# Altium PCB CHAHARDOLI-7 ADAD METAL.PcbDoc (part 7 of 11) (continued)
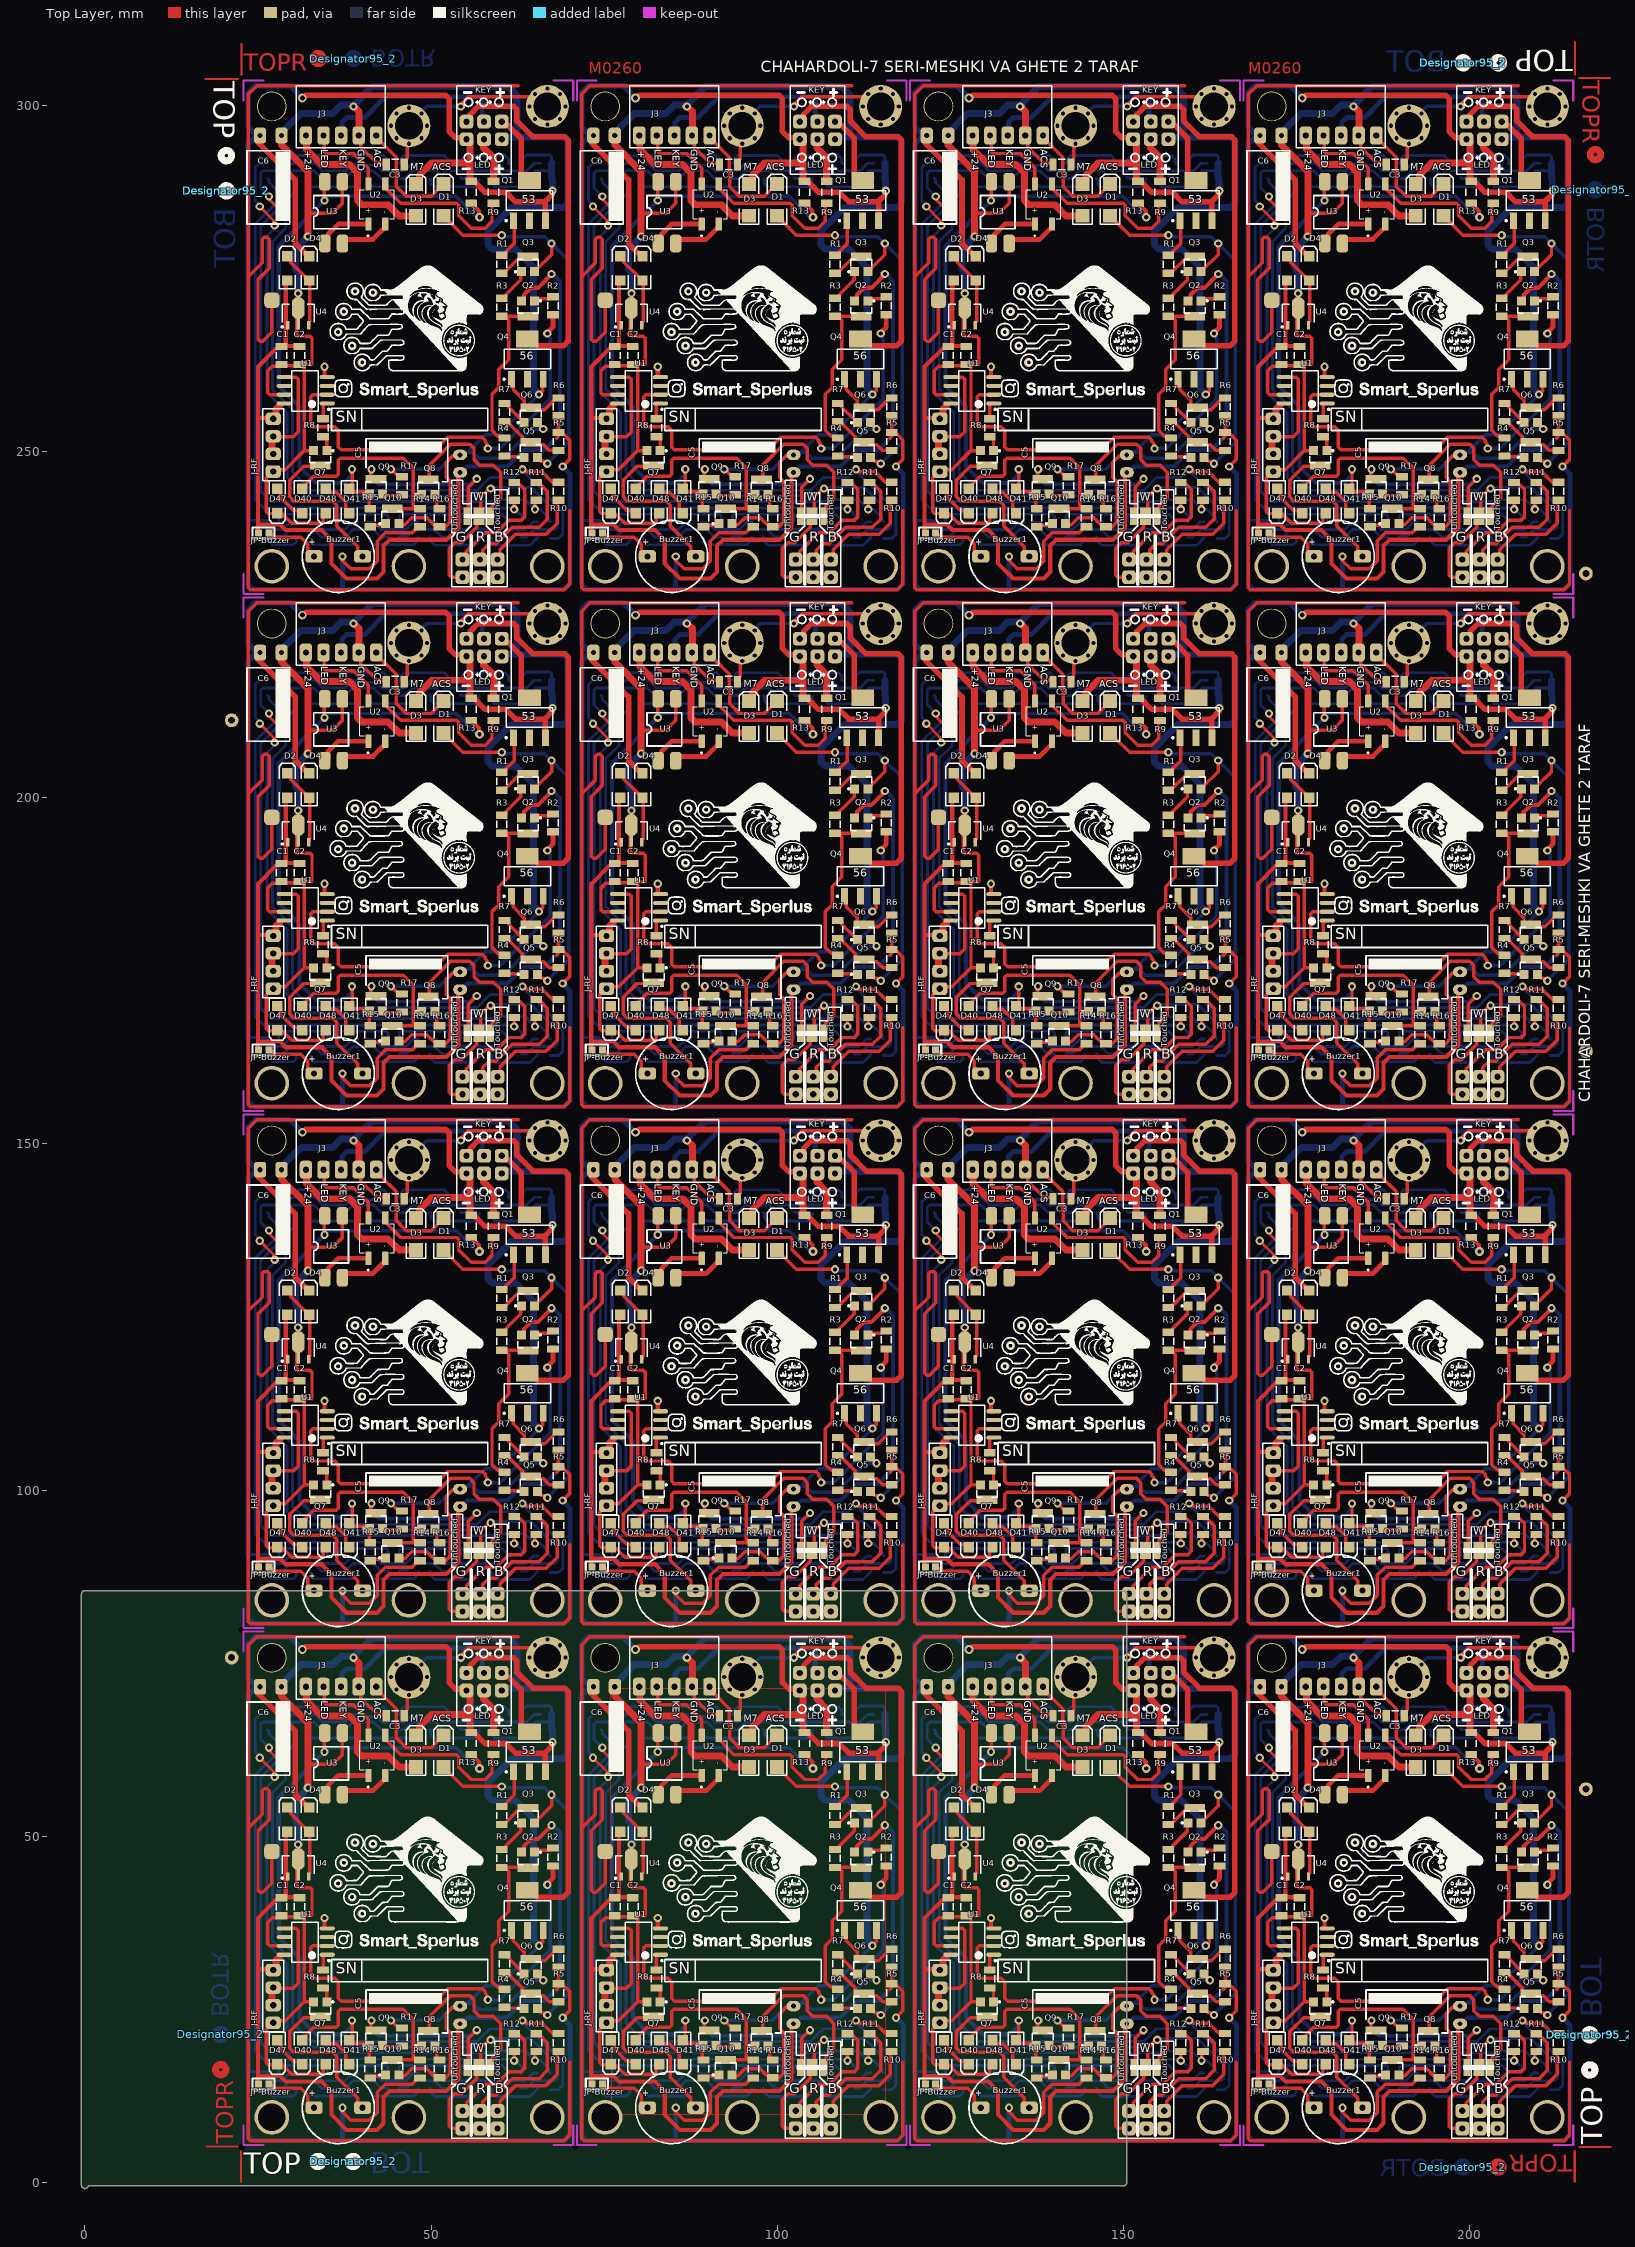
[diagram p0: Top Layer view]
## Nets (pads, with @x,y where several pads share a name; then routed paths per layer and width w, separated by ;. In a path a pad name is that pad's centre, name@x,y a point inside that pad or via, vN(x,y) a via of type N, cw(c..) or ccw(c..) an arc to the next point about the centre after c; other vN are vias at no path point) (continued)
157.09,48.376 157.09,48.6 159.258,50.768 159.258,51.843 159.34,51.925 ; 156.49,122.789 156.815,122.789 157.09,123.064 157.09,123.288 159.258,125.456 159.258,126.531 159.34,126.613 ; 156.49,197.477 156.815,197.477 157.09,197.752 157.09,197.976 159.258,200.144 159.258,201.219 159.34,201.301 ; 156.49,272.165 156.815,272.165 157.09,272.44 157.09,272.664 159.258,274.832 159.258,275.907 159.34,275.989 ; 156.521,54.23 156.745,54.23 157.09,54.576 157.09,54.8 158.29,56 158.29,59 ; 156.521,128.919 156.745,128.919 157.09,129.264 157.09,129.488 158.29,130.688 158.29,133.688 ; 156.521,203.607 156.745,203.607 157.09,203.952 157.09,204.176 158.29,205.376 158.29,208.376 ; 156.521,278.295 156.745,278.295 157.09,278.64 157.09,278.864 158.29,280.064 158.29,283.064 ; 156.69,32.8 157.316,32.8 157.49,32.626 157.49,32.375 159.49,30.375 159.74,30.125 ; 156.69,107.488 157.316,107.488 157.49,107.314 157.49,107.063 159.49,105.063 159.74,104.813 ; 156.69,182.176 157.316,182.176 157.49,182.002 157.49,181.751 159.49,179.751 159.74,179.501 ; 156.69,256.864 157.316,256.864 157.49,256.69 157.49,256.439 159.49,254.439 159.74,254.189 ; 156.878,51.768 157.09,51.98 158.836,53.725 159.04,53.725 159.04,54.125 ; 156.878,126.456 157.09,126.668 158.836,128.413 159.04,128.413 159.04,128.813 ; 156.878,201.144 157.09,201.356 158.836,203.101 159.04,203.101 159.04,203.501 ; 156.878,275.832 157.09,276.044 158.836,277.789 159.04,277.789 159.04,278.189 ; 156.907,28 156.737,28.17 155.92,28.17 155.09,29 155.09,34.2 156.09,35.2 156.09,37.8 157.49,39.2 157.49,44.937 157.197,45.23 157.09,45.23 157.015,45.305 157.015,45.505 161.359,45.505 ; 156.907,102.688 156.737,102.859 155.92,102.859 155.09,103.688 155.09,108.888 156.09,109.888 156.09,112.488 157.49,113.888 157.49,119.625 157.197,119.918 157.09,119.918 157.015,119.993 157.015,120.193 161.359,120.193 ; 156.907,177.376 156.737,177.547 155.92,177.547 155.09,178.376 155.09,183.576 156.09,184.576 156.09,187.176 157.49,188.576 157.49,194.313 157.197,194.606 157.09,194.606 157.015,194.681 157.015,194.881 161.359,194.881 ; 156.907,252.064 156.737,252.235 155.92,252.235 155.09,253.064 155.09,258.264 156.09,259.264 156.09,261.864 157.49,263.264 157.49,269.001 157.197,269.294 157.09,269.294 157.015,269.369 157.015,269.569 161.359,269.569 ; 157.32,30.2 157.49,30.03 159.44,28.08 159.44,27.225 159.708,26.957 162.533,26.957 163.383,26.107 164.783,26.107 164.89,26 ; 157.32,104.888 157.49,104.718 159.44,102.768 159.44,101.913 159.708,101.645 162.533,101.645 163.383,100.795 164.783,100.795 164.89,100.688 ; 157.32,179.576 157.49,179.406 159.44,177.456 159.44,176.601 159.708,176.333 162.533,176.333 163.383,175.483 164.783,175.483 164.89,175.376 ; 157.32,254.264 157.49,254.094 159.44,252.144 159.44,251.289 159.708,251.021 162.533,251.021 163.383,250.171 164.783,250.171 164.89,250.064 ; 158.09,35.971 158.14,35.921 158.14,34.911 159.719,33.332 159.719,32.625 160.326,32.018 162.708,32.018 164.09,33.4 164.09,33.426 164.118,33.453 164.144,33.453 ; 158.09,110.659 158.14,110.609 158.14,109.599 159.719,108.02 159.719,107.313 160.326,106.706 162.708,106.706 164.09,108.088 164.09,108.114 164.118,108.141 164.144,108.141 ; 158.09,185.347 158.14,185.297 158.14,184.287 159.719,182.708 159.719,182.001 160.326,181.394 162.708,181.394 164.09,182.776 164.09,182.802 164.118,182.83 164.144,182.83 ; 158.09,260.035 158.14,259.985 158.14,258.975 159.719,257.396 159.719,256.689 160.326,256.082 162.708,256.082 164.09,257.464 164.09,257.49 164.118,257.518 164.144,257.518 ; v1(158.29,17.6) 158.29,18.899 ; v1(158.29,92.288) 158.29,93.588 ; v1(158.29,166.976) 158.29,168.276 ; v1(158.29,241.664) 158.29,242.964 ; 158.89,78.8 121.09,78.8 119.89,77.6 119.89,6.293 120.183,6 165.49,6 166.29,6.8 166.29,8.145 166.29,17.4 ; 158.89,153.488 121.09,153.488 119.89,152.288 119.89,80.981 120.183,80.688 165.49,80.688 166.29,81.488 166.29,82.833 166.29,92.088 ; 158.89,228.176 121.09,228.176 119.89,226.976 119.89,155.669 120.183,155.376 165.49,155.376 166.29,156.176 166.29,157.521 166.29,166.776 ; 158.89,302.864 121.09,302.864 119.89,301.664 119.89,230.357 120.183,230.064 165.49,230.064 166.29,230.864 166.29,232.21 166.29,241.464 ; v1(159.509,23.381) 159.699,23.381 160.08,23 162.322,23 163.856,21.467 164.024,21.467 ; v1(159.509,98.069) 159.699,98.069 160.08,97.688 162.322,97.688 163.856,96.155 164.024,96.155 ; v1(159.509,172.757) 159.699,172.757 160.08,172.376 162.322,172.376 163.856,170.843 164.024,170.843 ; v1(159.509,247.445) 159.699,247.445 160.08,247.064 162.322,247.064 163.856,245.531 164.024,245.531 ; 160.89,76.952 161.642,76.952 161.69,77 ; 160.89,151.64 161.642,151.64 161.69,151.688 ; 160.89,226.328 161.642,226.328 161.69,226.376 ; 160.89,301.016 161.642,301.016 161.69,301.064 ; 160.94,51.825 161.115,51.825 161.365,52.075 161.39,52.075 161.49,52.175 161.49,52.2 163.69,54.4 v1(163.69,56) ; 160.94,126.513 161.115,126.513 161.365,126.763 161.39,126.763 161.49,126.863 161.49,126.888 163.69,129.088 v1(163.69,130.688) ; 160.94,201.201 161.115,201.201 161.365,201.451 161.39,201.451 161.49,201.551 161.49,201.576 163.69,203.776 v1(163.69,205.376) ; 160.94,275.889 161.115,275.889 161.365,276.139 161.39,276.139 161.49,276.239 161.49,276.264 163.69,278.464 v1(163.69,280.064) ; 161.224,18.765 161.29,18.699 v1(161.29,17.6) ; 161.224,93.453 161.29,93.388 v1(161.29,92.288) ; 161.224,168.142 161.29,168.076 v1(161.29,166.976) ; 161.224,242.83 161.29,242.764 v1(161.29,241.664) ; 161.49,47.975 161.515,48 163.265,48 163.565,48.301 163.89,48.301 ; 161.49,122.663 161.515,122.688 163.265,122.688 163.565,122.989 163.89,122.989 ; 161.49,197.351 161.515,197.376 163.265,197.376 163.565,197.677 163.89,197.677 ; 161.49,272.039 161.515,272.064 163.265,272.064 163.565,272.365 163.89,272.365 ; 161.64,25.125 162.231,24.534 162.567,24.534 162.901,24.2 v1(163.09,24.2) ; 161.64,99.813 162.231,99.222 162.567,99.222 162.901,98.888 v1(163.09,98.888) ; 161.64,174.501 162.231,173.91 162.567,173.91 162.901,173.576 v1(163.09,173.576) ; 161.64,249.189 162.231,248.598 162.567,248.598 162.901,248.264 v1(163.09,248.264) ; 161.69,30.2 161.89,30 161.89,29.843 162.49,29.243 v1(162.49,29.2) ; 161.69,104.888 161.89,104.688 161.89,104.531 162.49,103.931 v1(162.49,103.888) ; 161.69,179.576 161.89,179.376 161.89,179.219 162.49,178.619 v1(162.49,178.576) ; 161.69,254.264 161.89,254.064 161.89,253.907 162.49,253.307 v1(162.49,253.264) ; v1(161.89,34.2) 162.433,34.743 162.433,36.343 162.49,36.4 ; v1(161.89,108.888) 162.433,109.431 162.433,111.031 162.49,111.088 ; v1(161.89,183.576) 162.433,184.119 162.433,185.719 162.49,185.776 ; v1(161.89,258.264) 162.433,258.807 162.433,260.407 162.49,260.464 ; 164.452,27.901 164.49,27.939 ; 164.452,102.589 164.49,102.627 ; 164.452,177.277 164.49,177.315 ; 164.452,251.965 164.49,252.003 ; 164.69,28.202 164.69,28.701 164.69,31.105 164.69,31.325 ; 164.69,102.89 164.69,103.389 164.69,105.793 164.69,106.014 ; 164.69,177.578 164.69,178.077 164.69,180.481 164.69,180.702 ; 164.69,252.266 164.69,252.765 164.69,255.169 164.69,255.39 ; 165.284,28.606 165.284,28.431 165.29,28.426 165.465,28.426 166.29,27.6 166.29,24.8 v1(165.29,23.8) ; 165.284,103.294 165.284,103.12 165.29,103.114 165.465,103.114 166.29,102.288 166.29,99.488 v1(165.29,98.488) ; 165.284,177.982 165.284,177.808 165.29,177.802 165.465,177.802 166.29,176.976 166.29,174.176 v1(165.29,173.176) ; 165.284,252.67 165.284,252.496 165.29,252.49 165.465,252.49 166.29,251.664 166.29,248.864 v1(165.29,247.864) ; 168.035,51.2 170.035,53.2 170.035,56.6 170.328,56.893 170.742,56.893 171.035,56.6 171.035,55.4 171.035,52.4 169.435,50.8 169.435,42.2 169.728,41.907 170.142,41.907 171.435,43.2 171.435,47.8 ; 168.035,125.888 170.035,127.888 170.035,131.288 170.328,131.581 170.742,131.581 171.035,131.288 171.035,130.088 171.035,127.088 169.435,125.488 169.435,116.888 169.728,116.595 170.142,116.595 171.435,117.888 171.435,122.488 ; 168.035,200.576 170.035,202.576 170.035,205.976 170.328,206.269 170.742,206.269 171.035,205.976 171.035,204.776 171.035,201.776 169.435,200.176 169.435,191.576 169.728,191.283 170.142,191.283 171.435,192.576 171.435,197.176 ; 168.035,275.264 170.035,277.264 170.035,280.664 170.328,280.957 170.742,280.957 171.035,280.664 171.035,279.464 171.035,276.464 169.435,274.864 169.435,266.264 169.728,265.971 170.142,265.971 171.435,267.264 171.435,271.864 ; 171.435,14 171.835,13.6 175.635,13.6 176.635,12.6 176.635,11.743 176.659,11.719 176.659,11.435 177.294,10.8 177.535,10.8 ; 171.435,88.688 171.835,88.288 175.635,88.288 176.635,87.288 176.635,86.431 176.659,86.408 176.659,86.123 177.294,85.488 177.535,85.488 ; 171.435,163.376 171.835,162.976 175.635,162.976 176.635,161.976 176.635,161.119 176.659,161.096 176.659,160.811 177.294,160.176 177.535,160.176 ; 171.435,238.064 171.835,237.664 175.635,237.664 176.635,236.664 176.635,235.807 176.659,235.784 176.659,235.499 177.294,234.864 177.535,234.864 ; 171.635,28.08 174.515,28.08 175.235,28.8 175.235,36.393 174.942,36.686 173.262,36.686 ; 171.635,102.768 174.515,102.768 175.235,103.488 175.235,111.081 174.942,111.374 173.262,111.374 ; 171.635,177.456 174.515,177.456 175.235,178.176 175.235,185.769 174.942,186.062 173.262,186.062 ; 171.635,252.144 174.515,252.144 175.235,252.864 175.235,260.457 174.942,260.75 173.262,260.75 ; 172.235,20.55 172.735,20.05 172.735,19.3 174.63,17.405 175.48,17.405 175.835,17.05 ; 172.235,95.238 172.735,94.738 172.735,93.988 174.63,92.093 175.48,92.093 175.835,91.738 ; 172.235,169.926 172.735,169.426 172.735,168.676 174.63,166.782 175.48,166.782 175.835,166.426 ; 172.235,244.614 172.735,244.114 172.735,243.364 174.63,241.47 175.48,241.47 175.835,241.114 ; 172.71,16.925 172.635,17 170.928,17 170.635,17.293 170.635,22.152 171.812,23.329 173.364,23.329 176.135,26.1 ; 172.71,91.613 172.635,91.688 170.928,91.688 170.635,91.981 170.635,96.84 171.812,98.017 173.364,98.017 176.135,100.788 ; 172.71,166.301 172.635,166.376 170.928,166.376 170.635,166.669 170.635,171.528 171.812,172.705 173.364,172.705 176.135,175.476 ; 172.71,240.989 172.635,241.064 170.928,241.064 170.635,241.357 170.635,246.216 171.812,247.393 173.364,247.393 176.135,250.164 ; 172.835,17.05 174.285,15.6 178.539,15.6 178.832,15.893 178.832,16.777 179.235,17.181 ; 172.835,91.738 174.285,90.288 178.539,90.288 178.832,90.581 178.832,91.465 179.235,91.869 ; 172.835,166.426 174.285,164.976 178.539,164.976 178.832,165.269 178.832,166.154 179.235,166.557 ; 172.835,241.114 174.285,239.664 178.539,239.664 178.832,239.957 178.832,240.842 179.235,241.245 ; 173.382,38.309 173.16,38.53 172.835,38.53 172.56,38.255 171.49,38.255 170.835,37.6 170.835,34.458 171.128,34.165 173.801,34.165 ; 173.382,112.997 173.16,113.218 172.835,113.218 172.56,112.943 171.49,112.943 170.835,112.288 170.835,109.146 171.128,108.853 173.801,108.853 ; 173.382,187.685 173.16,187.906 172.835,187.906 172.56,187.631 171.49,187.631 170.835,186.976 170.835,183.834 171.128,183.541 173.801,183.541 ; 173.382,262.373 173.16,262.594 172.835,262.594 172.56,262.319 171.49,262.319 170.835,261.664 170.835,258.522 171.128,258.229 173.801,258.229 ; 173.435,38.362 175.435,38.362 ; 173.435,113.051 175.435,113.051 ; 173.435,187.739 175.435,187.739 ; 173.435,262.427 175.435,262.427 ; 173.635,54.15 174.135,53.65 174.135,53.3 176.335,51.1 176.335,51.15 176.835,50.65 ; 173.635,128.838 174.135,128.338 174.135,127.988 176.335,125.788 176.335,125.838 176.835,125.338 ; 173.635,203.526 174.135,203.026 174.135,202.676 176.335,200.476 176.335,200.526 176.835,200.026 ; 173.635,278.214 174.135,277.714 174.135,277.364 176.335,275.164 176.335,275.214 176.835,274.714 ; 175.035,46.7 175.035,42.893 175.328,42.6 176.942,42.6 177.235,42.307 177.235,38.53 176.135,38.53 ; 175.035,121.388 175.035,117.581 175.328,117.288 176.942,117.288 177.235,116.995 177.235,113.218 176.135,113.218 ; 175.035,196.076 175.035,192.269 175.328,191.976 176.942,191.976 177.235,191.683 177.235,187.906 176.135,187.906 ; 175.035,270.764 175.035,266.957 175.328,266.664 176.942,266.664 177.235,266.371 177.235,262.594 176.135,262.594 ; 175.235,46.7 v1(175.235,48.8) ; 175.235,121.388 v1(175.235,123.488) ; 175.235,196.076 v1(175.235,198.176) ; 175.235,270.764 v1(175.235,272.864) ; 175.435,38.53 176.135,38.53 ; 175.435,113.218 176.135,113.218 ; 175.435,187.906 176.135,187.906 ; 175.435,262.594 176.135,262.594 ; 175.835,20.55 176.335,21.05 176.335,21.25 177.485,22.4 180.742,22.4 181.035,22.693 181.035,24.707 181.328,25 190.435,25 191.835,23.6 191.835,19.8 ; 175.835,95.238 176.335,95.738 176.335,95.938 177.485,97.088 180.742,97.088 181.035,97.381 181.035,99.395 181.328,99.688 190.435,99.688 191.835,98.288 191.835,94.488 ; 175.835,169.926 176.335,170.426 176.335,170.626 177.485,171.776 180.742,171.776 181.035,172.069 181.035,174.083 181.328,174.376 190.435,174.376 191.835,172.976 191.835,169.176 ; 175.835,244.614 176.335,245.114 176.335,245.314 177.485,246.464 180.742,246.464 181.035,246.757 181.035,248.771 181.328,249.064 190.435,249.064 191.835,247.664 191.835,243.864 ; 176.635,60.4 180.235,60.4 181.635,61.8 181.635,64.92 ; 176.635,135.088 180.235,135.088 181.635,136.488 181.635,139.608 ; 176.635,209.776 180.235,209.776 181.635,211.176 181.635,214.296 ; 176.635,284.464 180.235,284.464 181.635,285.864 181.635,288.984 ; 176.735,44.2 176.735,44.55 176.932,44.746 176.932,50.154 176.835,50.25 ; 176.735,118.888 176.735,119.238 176.932,119.435 176.932,124.842 176.835,124.938 ; 176.735,193.576 176.735,193.926 176.932,194.123 176.932,199.53 176.835,199.626 ; 176.735,268.264 176.735,268.614 176.932,268.811 176.932,274.218 176.835,274.314 ; 177.485,26.075 176.135,26.075 176.135,38.53 ; 177.485,100.763 176.135,100.763 176.135,113.218 ; 177.485,175.451 176.135,175.451 176.135,187.906 ; 177.485,250.139 176.135,250.139 176.135,262.594 ; 178.435,23.8 176.035,23.8 174.035,21.8 174.035,19.4 174.635,18.8 180.235,18.8 180.835,18.2 180.835,15.2 183.835,12.2 183.835,11.435 184.47,10.8 184.535,10.8 ; 178.435,98.488 176.035,98.488 174.035,96.488 174.035,94.088 174.635,93.488 180.235,93.488 180.835,92.888 180.835,89.888 183.835,86.888 183.835,86.123 184.47,85.488 184.535,85.488 ; 178.435,173.176 176.035,173.176 174.035,171.176 174.035,168.776 174.635,168.176 180.235,168.176 180.835,167.576 180.835,164.576 183.835,161.576 183.835,160.811 184.47,160.176 184.535,160.176 ; 178.435,247.864 176.035,247.864 174.035,245.864 174.035,243.464 174.635,242.864 180.235,242.864 180.835,242.264 180.835,239.264 183.835,236.264 183.835,235.499 184.47,234.864 184.535,234.864 ; 178.835,28.099 179.11,28.099 179.385,27.824 179.385,26.075 ; 178.835,30.695 178.835,32.849 178.882,32.895 179.435,32.895 ; 178.835,102.788 179.11,102.788 179.385,102.513 179.385,100.763 ; 178.835,105.384 178.835,107.537 178.882,107.583 179.435,107.583 ; 178.835,177.476 179.11,177.476 179.385,177.201 179.385,175.451 ; 178.835,180.072 178.835,182.225 178.882,182.271 179.435,182.271 ; 178.835,252.164 179.11,252.164 179.385,251.889 179.385,250.139 ; 178.835,254.76 178.835,256.913 178.881,256.959 179.435,256.959 ; 178.895,71.6 179.035,71.46 179.035,69.293 179.328,69 183.235,69 185.371,66.864 185.371,64.331 ; 178.895,146.288 179.035,146.148 179.035,143.981 179.328,143.688 183.235,143.688 185.371,141.553 185.371,139.02 ; 178.895,220.976 179.035,220.836 179.035,218.669 179.328,218.376 183.235,218.376 185.371,216.241 185.371,213.708 ; 178.895,295.664 179.035,295.524 179.035,293.357 179.328,293.064 183.235,293.064 185.371,290.929 185.371,288.396 ; 178.935,20.05 180.716,20.05 182.135,18.631 182.135,17.55 182.635,17.05 ; 178.935,94.738 180.716,94.738 182.135,93.319 182.135,92.238 182.635,91.738 ; 178.935,169.426 180.716,169.426 182.135,168.007 182.135,166.926 182.635,166.426 ; 178.935,244.114 180.716,244.114 182.135,242.695 182.135,241.614 182.635,241.114 ; v1(179.035,62.2) 179.035,64.86 179.095,64.92 ; v1(179.035,136.888) 179.035,139.548 179.095,139.608 ; v1(179.035,211.576) 179.035,214.236 179.095,214.296 ; v1(179.035,286.264) 179.035,288.924 179.095,288.984 ; 179.435,34.165 177.328,34.165 177.035,33.872 177.035,29.893 177.408,29.52 180.515,29.52 181.035,29 181.035,26.6 181.435,26.2 195.016,26.2 196.816,28 201.835,28 202.258,27.578 202.258,27.367 202.501,27.123 202.501,26.534 v1(202.635,26.4) ; 179.435,108.853 177.328,108.853 177.035,108.56 177.035,104.581 177.408,104.209 180.515,104.209 181.035,103.688 181.035,101.288 181.435,100.888 195.016,100.888 196.816,102.688 201.835,102.688 202.258,102.266 202.258,102.055 202.501,101.811 202.501,101.222 v1(202.635,101.088) ; 179.435,183.541 177.328,183.541 177.035,183.248 177.035,179.269 177.408,178.897 180.515,178.897 181.035,178.376 181.035,175.976 181.435,175.576 195.016,175.576 196.816,177.376 201.835,177.376 202.257,176.954 202.257,176.743 202.501,176.5 202.501,175.91 v1(202.635,175.776) ; 179.435,258.229 177.328,258.229 177.035,257.936 177.035,253.957 177.408,253.585 180.515,253.585 181.035,253.064 181.035,250.664 181.435,250.264 195.016,250.264 196.816,252.064 201.835,252.064 202.257,251.642 202.257,251.432 202.501,251.188 202.501,250.598 v1(202.635,250.464) ; v1(181.635,10.8) 181.635,10.2 182.835,9 185.541,9 186.635,10.094 186.635,13 187.835,14.2 191.742,14.2 192.235,14.693 192.235,14.824 192.51,15.099 192.835,15.099 ; v1(181.635,85.488) 181.635,84.888 182.835,83.688 185.541,83.688 186.635,84.782 186.635,87.688 187.835,88.888 191.742,88.888 192.235,89.381 192.235,89.513 192.51,89.788 192.835,89.788 ; v1(181.635,160.176) 181.635,159.576 182.835,158.376 185.541,158.376 186.635,159.471 186.635,162.376 187.835,163.576 191.742,163.576 192.235,164.069 192.235,164.201 192.51,164.476 192.835,164.476 ; v1(181.635,234.864) 181.635,234.264 182.835,233.064 185.541,233.064 186.635,234.159 186.635,237.064 187.835,238.264 191.742,238.264 192.235,238.757 192.235,238.889 192.51,239.164 192.835,239.164 ; 182.635,20.55 183.023,20.937 v1(183.023,23.387) ; 182.635,95.238 183.023,95.626 v1(183.023,98.076) ; 182.635,169.926 183.023,170.314 v1(183.023,172.764) ; 182.635,244.614 183.023,245.002 v1(183.023,247.452) ; 183.01,20.45 183.335,20.125 185.135,20.125 185.485,19.775 185.485,17.845 185.635,17.695 ; 183.01,95.138 183.335,94.813 185.135,94.813 185.485,94.463 185.485,92.534 185.635,92.384 ; 183.01,169.826 183.335,169.501 185.135,169.501 185.485,169.151 185.485,167.222 185.635,167.072 ; 183.01,244.514 183.335,244.189 185.135,244.189 185.485,243.839 185.485,241.91 185.635,241.76 ; 184.004,71.171 184.304,70.871 184.304,69.931 186.635,67.6 187.988,67.6 ; 184.004,145.86 184.304,145.56 184.304,144.62 186.635,142.288 187.988,142.288 ; 184.004,220.548 184.304,220.248 184.304,219.308 186.635,216.976 187.988,216.976 ; 184.004,295.236 184.304,294.936 184.304,293.996 186.635,291.664 187.988,291.664 ; 185.328,15.307 187.667,15.307 187.885,15.525 ; 185.328,89.995 187.667,89.995 187.885,90.213 ; 185.328,164.683 187.667,164.683 187.885,164.901 ; 185.328,239.371 187.667,239.371 187.885,239.589 ; v1(185.835,23.4) 185.733,23.298 185.733,22.3 186.083,21.95 186.485,21.95 ; v1(185.835,98.088) 185.733,97.986 185.733,96.988 186.083,96.638 186.485,96.638 ; v1(185.835,172.776) 185.733,172.674 185.733,171.676 186.083,171.326 186.485,171.326 ; v1(185.835,247.464) 185.733,247.362 185.733,246.364 186.083,246.014 186.485,246.014 ; 186.115,220.684 186.75,220.05 187.162,220.05 189.386,217.825 189.386,215.425 189.435,215.376 189.435,213.576 190.835,212.176 194.435,212.176 196.235,213.976 ; 186.115,295.373 186.75,294.738 187.162,294.738 189.386,292.513 189.386,290.113 189.435,290.064 189.435,288.264 190.835,286.864 194.435,286.864 196.235,288.664 ; 186.115,71.308 186.75,70.673 187.162,70.673 189.386,68.449 189.386,66.049 189.435,66 189.435,64.2 190.835,62.8 194.435,62.8 196.235,64.6 ; 186.115,145.996 186.75,145.362 187.162,145.362 189.386,143.137 189.386,140.737 189.435,140.688 189.435,138.888 190.835,137.488 194.435,137.488 196.235,139.288 ; 187.635,19.6 190.374,19.6 ; 187.635,94.288 190.374,94.288 ; 187.635,168.976 190.374,168.976 ; 187.635,243.664 190.374,243.664 ; 187.835,64.6 188.04,64.395 188.04,63.795 190.035,61.8 198.142,61.8 198.435,61.507 198.435,60 200.235,58.2 202.235,58.2 203.235,59.2 203.235,61.8 ; 187.835,139.288 188.04,139.083 188.04,138.483 190.035,136.488 198.142,136.488 198.435,136.195 198.435,134.688 200.235,132.888 202.235,132.888 203.235,133.888 203.235,136.488 ; 187.835,213.976 188.04,213.771 188.04,213.171 190.035,211.176 198.142,211.176 198.435,210.883 198.435,209.376 200.235,207.576 202.235,207.576 203.235,208.576 203.235,211.176 ; 187.835,288.664 188.04,288.459 188.04,287.859 190.035,285.864 198.142,285.864 198.435,285.571 198.435,284.064 200.235,282.264 202.235,282.264 203.235,283.264 203.235,285.864 ; 188.484,17.6 188.235,17.6 188.26,17.625 188.708,17.625 188.778,17.695 192.835,17.695 ; 188.484,92.288 188.235,92.288 188.26,92.313 188.708,92.313 188.778,92.384 192.835,92.384 ; 188.484,166.976 188.235,166.976 188.26,167.001 188.708,167.001 188.778,167.072 192.835,167.072 ; 188.484,241.664 188.235,241.664 188.26,241.689 188.708,241.689 188.778,241.76 192.835,241.76 ; v1(188.635,23.4) 188.645,23.4 189.475,22.57 189.635,22.57 189.74,22.465 189.74,22.305 ; v1(188.635,98.088) 188.645,98.088 189.475,97.259 189.635,97.259 189.74,97.154 189.74,96.993 ; v1(188.635,172.776) 188.645,172.776 189.475,171.947 189.635,171.947 189.74,171.842 189.74,171.681 ; v1(188.635,247.464) 188.645,247.464 189.475,246.635 189.635,246.635 189.74,246.53 189.74,246.369 ; 189.635,15.8 189.785,15.65 189.785,15.525 ; 189.635,90.488 189.785,90.338 189.785,90.213 ; 189.635,165.176 189.785,165.026 189.785,164.901 ; 189.635,239.864 189.785,239.714 189.785,239.589 ; 189.935,15.375 190.61,15.375 191.635,16.4 193.835,16.4 194.856,15.38 195.36,15.38 195.635,15.105 196.54,15.105 197.235,15.8 197.235,21.6 196.635,22.2 196.635,24.4 197.509,25.274 198.039,25.274 198.235,25.47 ; 189.935,90.063 190.61,90.063 191.635,91.088 193.835,91.088 194.856,90.068 195.36,90.068 195.635,89.793 196.54,89.793 197.235,90.488 197.235,96.288 196.635,96.888 196.635,99.088 197.509,99.962 198.039,99.962 198.235,100.158 ; 189.935,164.751 190.61,164.751 191.635,165.776 193.835,165.776 194.856,164.756 195.36,164.756 195.635,164.481 196.54,164.481 197.235,165.176 197.235,170.976 196.635,171.576 196.635,173.776 197.509,174.65 198.039,174.65 198.235,174.846 ; 189.935,239.439 190.61,239.439 191.635,240.464 193.835,240.464 194.856,239.444 195.36,239.444 195.635,239.169 196.54,239.169 197.235,239.864 197.235,245.664 196.635,246.264 196.635,248.464 197.509,249.338 198.039,249.338 198.235,249.534 ; 190.561,67.174 190.836,67.449 190.836,68.151 190.978,68.293 190.978,70.343 191.035,70.4 191.035,73 ; 190.561,141.862 190.836,142.137 190.836,142.839 190.978,142.981 190.978,145.031 191.035,145.088 191.035,147.688 ; 190.561,216.55 190.836,216.825 190.836,217.528 190.978,217.669 190.978,219.719 191.035,219.776 191.035,222.376 ; 190.561,291.239 190.836,291.514 190.836,292.216 190.978,292.357 190.978,294.407 191.035,294.464 191.035,297.064 ; 191.835,18 191.835,19.8 ; 191.835,92.688 191.835,94.488 ; 191.835,167.376 191.835,169.176 ; 191.835,242.064 191.835,243.864 ; 193.085,19.725 193.01,19.8 191.835,19.8 ; 193.085,94.413 193.01,94.488 191.835,94.488 ; 193.085,169.101 193.01,169.176 191.835,169.176 ; 193.085,243.789 193.01,243.864 191.835,243.864 ; 193.835,21.8 194.167,22.132 194.167,23.932 197.235,27 200.035,27 200.635,26.4 200.635,24.8 201.435,24 203.435,24 204.485,22.95 204.485,19.25 203.285,18.05 203.285,17.45 203.235,17.4 203.235,16.2 ; 193.835,96.488 194.167,96.82 194.167,98.62 197.235,101.688 200.035,101.688 200.635,101.088 200.635,99.488 201.435,98.688 203.435,98.688 204.485,97.638 204.485,93.938 203.285,92.738 203.285,92.138 203.235,92.088 203.235,90.888 ; 193.835,171.176 194.167,171.508 194.167,173.308 197.235,176.376 200.035,176.376 200.635,175.776 200.635,174.176 201.435,173.376 203.435,173.376 204.485,172.326 204.485,168.626 203.285,167.426 203.285,166.826 203.235,166.776 203.235,165.576 ; 193.835,245.864 194.167,246.196 194.167,247.996 197.235,251.064 200.035,251.064 200.635,250.464 200.635,248.864 201.435,248.064 203.435,248.064 204.485,247.014 204.485,243.314 203.285,242.114 203.285,241.514 203.235,241.464 203.235,240.264 ; 194.985,19.725 195.235,19.475 195.235,17.976 195.51,17.701 195.635,17.701 ; 194.985,94.413 195.235,94.163 195.235,92.664 195.51,92.389 195.635,92.389 ; 194.985,169.101 195.235,168.851 195.235,167.352 195.51,167.077 195.635,167.077 ; 194.985,243.789 195.235,243.539 195.235,242.04 195.51,241.765 195.635,241.765 ; 196.235,60 196.485,59.75 196.485,59.25 196.985,59.25 199.035,57.2 v1(204.635,57.2) ; 196.235,134.688 196.485,134.438 196.485,133.938 196.985,133.938 199.035,131.888 v1(204.635,131.888) ; 196.235,209.376 196.485,209.126 196.485,208.626 196.985,208.626 199.035,206.576 v1(204.635,206.576) ; 196.235,284.064 196.485,283.814 196.485,283.314 196.985,283.314 199.035,281.264 v1(204.635,281.264) ; v1@198.545,75.904 198.903,76.262 198.903,76.267 199.835,77.2 209.035,77.2 ; v1@198.545,150.592 198.903,150.95 198.903,150.956 199.835,151.888 209.035,151.888 ; v1@198.545,225.28 198.903,225.638 198.903,225.644 199.835,226.576 209.035,226.576 ; v1@198.545,299.969 198.903,300.326 198.903,300.332 199.835,301.264 209.035,301.264 ; 198.955,10.34 199.549,10.934 199.549,11.514 202.235,14.2 203.835,14.2 205.635,16 207.435,16 207.935,16.5 207.935,20.5 207.205,21.23 206.301,21.23 206.035,21.495 ; 198.955,85.028 199.549,85.622 199.549,86.202 202.235,88.888 203.835,88.888 205.635,90.688 207.435,90.688 207.935,91.188 207.935,95.188 207.205,95.918 206.301,95.918 206.035,96.184 ; 198.955,159.716 199.549,160.31 199.549,160.89 202.235,163.576 203.835,163.576 205.635,165.376 207.435,165.376 207.935,165.876 207.935,169.876 207.205,170.606 206.301,170.606 206.035,170.872 ; 198.955,234.404 199.549,234.998 199.549,235.578 202.235,238.264 203.835,238.264 205.635,240.064 207.435,240.064 207.935,240.564 207.935,244.564 207.205,245.294 206.301,245.294 206.035,245.56 ; 199.835,15.705 199.835,20.8 v1(201.035,22) ; 199.835,90.393 199.835,95.488 v1(201.035,96.688) ; 199.835,165.081 199.835,170.176 v1(201.035,171.376) ; 199.835,239.769 199.835,244.864 v1(201.035,246.064) ; 201.495,10.34 201.919,10.764 201.919,11.684 202.835,12.6 203.755,12.6 206.155,15 210.035,15 211.235,16.2 211.235,20.2 210.235,21.2 210.235,21.22 210.056,21.4 209.507,21.4 ; 201.495,85.028 201.919,85.452 201.919,86.372 202.835,87.288 203.755,87.288 206.155,89.688 210.035,89.688 211.235,90.888 211.235,94.888 210.235,95.888 210.235,95.909 210.056,96.088 209.507,96.088 ; 201.495,159.716 201.919,160.14 201.919,161.06 202.835,161.976 203.755,161.976 206.155,164.376 210.035,164.376 211.235,165.576 211.235,169.576 210.235,170.576 210.235,170.597 210.056,170.776 209.507,170.776 ; 201.495,234.404 201.919,234.828 201.919,235.748 202.835,236.664 203.755,236.664 206.155,239.064 210.035,239.064 211.235,240.264 211.235,244.264 210.235,245.264 210.235,245.285 210.056,245.464 209.507,245.464 ; 201.535,15.8 201.255,15.8 201.055,15.6 201.055,15.02 198.835,12.8 197.835,12.8 197.035,12 197.035,8.093 197.328,7.8 198.955,7.8 201.495,7.8 204.035,7.8 ; 201.535,17.4 201.535,17.5 201.635,17.6 201.635,19.4 202.835,20.6 v1(203.035,20.6) ; 201.535,90.488 201.255,90.488 201.055,90.288 201.055,89.708 198.835,87.488 197.835,87.488 197.035,86.688 197.035,82.781 197.328,82.488 198.955,82.488 201.495,82.488 204.035,82.488 ; 201.535,92.088 201.535,92.188 201.635,92.288 201.635,94.088 202.835,95.288 v1(203.035,95.288) ; 201.535,165.176 201.255,165.176 201.055,164.976 201.055,164.396 198.835,162.176 197.835,162.176 197.035,161.376 197.035,157.469 197.328,157.176 198.955,157.176 201.495,157.176 204.035,157.176 ; 201.535,166.776 201.535,166.876 201.635,166.976 201.635,168.776 202.835,169.976 v1(203.035,169.976) ; 201.535,239.864 201.255,239.864 201.055,239.664 201.055,239.084 198.835,236.864 197.835,236.864 197.035,236.064 197.035,232.157 197.328,231.864 198.955,231.864 201.495,231.864 204.035,231.864 ; 201.535,241.464 201.535,241.564 201.635,241.664 201.635,243.464 202.835,244.664 v1(203.035,244.664)